# Allegro board parallella_layout.brd (continued)
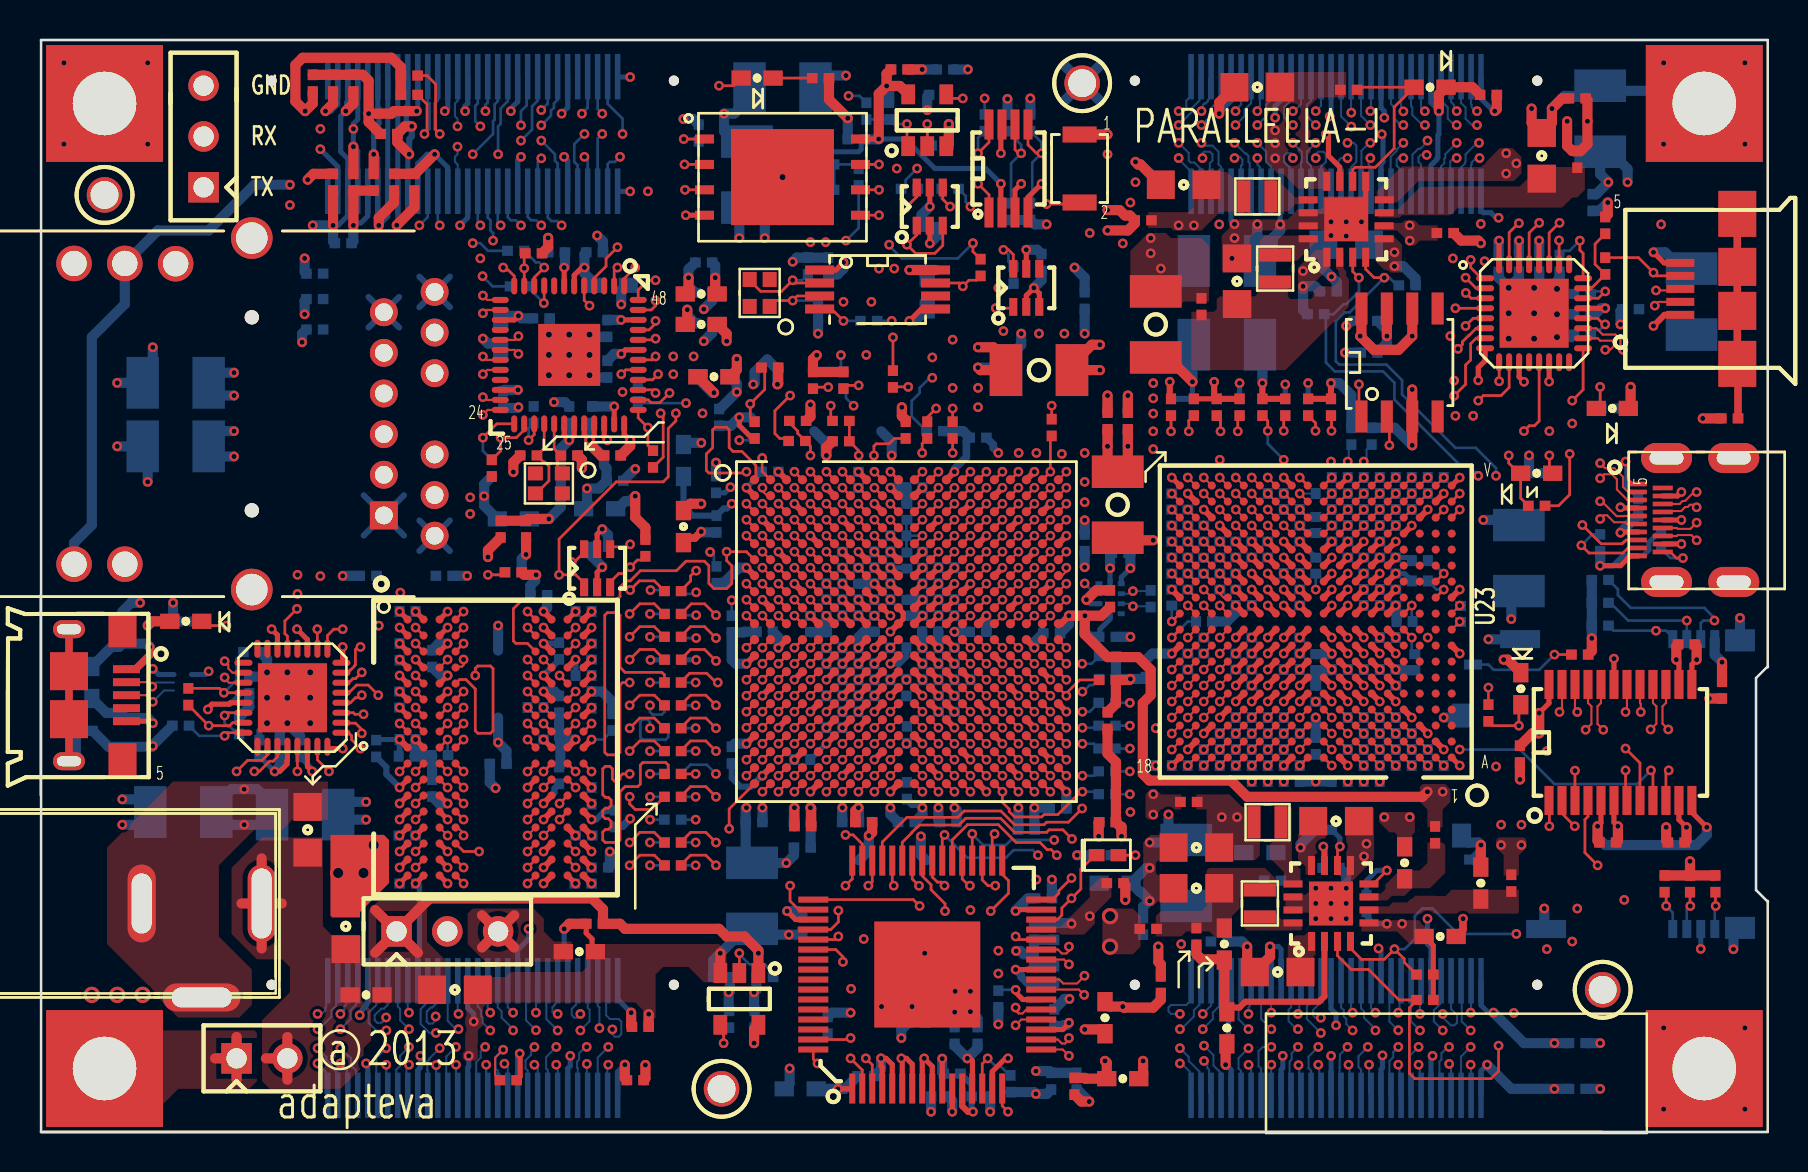
[diagram p0: board, top side]
## Routing (per net, layer and track width the routed paths; a pad name or vN(x,y) marks a point on that pad's centre or on a via; arc(x,y) is an arc through that point) (continued)
VCC_XADC: length 2.5
  TOP w0.254: U2.J9 v1(42.53,25.82)
  TOP w0.381: v1(33.07,30.02) 32.76,29.71 32.41,29.71 FB1.2
  BOTTOM w0.508: C16.2 33.11,29.98 v1(33.07,30.02)
VDD_ADJ: length 9.7
  TOP w0.508: R332.2 71.08,44.58 71.94,44.58 v1(72.06,44.45) ; C292.1 v1(15.67,49.28)
  L5_SIG w0.508: v1(15.67,49.28) v1(15.67,50.16)
  BOTTOM w0.254: J13.54 15.89,50.64 15.67,50.42 v1(15.67,50.16) v1(15.67,49.28) 15.89,49.06 J13.53
  vias: v1(72.06,45.42)
VDD_DSP: length 23.1
  TOP w0.305: U23.L9 v1(64.61,27.13) ; U23.M6 v1(67.01,27.93) ; U23.H6 v1(67.01,23.93) ; U23.J9 v1(64.61,24.73) ; U23.N9 v1(64.61,28.73) ; U23.N11 v1(62.21,28.73) ; U23.N13 v1(60.61,28.73) ; U23.M10 v1(63.01,27.93) ; U23.K6 v1(67.01,26.33) ; U23.J11 v1(62.21,24.73) ; U23.J13 v1(60.61,24.73) ; U23.M12 v1(61.41,27.93) ; U23.K10 v1(63.01,26.33) ; U23.H12 v1(61.41,23.93) ; U23.N7 v1(66.21,28.73) ; U23.J7 v1(66.21,24.73) ; U23.L11 v1(62.21,27.13) ; U23.M8 v1(65.41,27.93) ; U23.L7 v1(66.21,27.13) ; U23.L13 v1(60.61,27.13) ; U23.K8 v1(65.41,26.33) ; U23.H8 v1(65.41,23.93) ; U23.K12 v1(61.41,26.33) ; U23.H10 v1(63.01,23.93)
  TOP w0.508: v1(17.84,45.35) 18.72,46.23 C277.1
  BOTTOM w0.254: J13.46 J13.45 17.89,45.4 v1(17.84,45.35)
  vias: v1(55.55,44.7) v1(55.55,43.94) v1(56.06,43.18)
VDD_GPIO: length 61.4
  TOP w0.254: U37.24 75.47,21.44 v1(74.98,20.95) ; v1(83.37,15.24) 82.62,15.98 U37.12 ; v1(77.9,15.29) 78.07,15.46 U37.5
  TOP w0.305: U2.W17 v1(48.94,17.82) ; U2.Y10 v1(42.53,17.02) ; U2.T18 v1(49.74,20.22) ; U2.V14 v1(46.54,18.62) ; U2.N19 v1(50.54,22.62) ; U2.W7 v1(40.13,17.82) ; U2.T8 v1(40.93,20.22) ; U2.Y20 v1(51.34,17.02) ; U2.U11 v1(44.14,19.42) ; U2.R15 v1(47.34,21.02)
  TOP w0.508: v1(41.46,14.82) 41.62,14.99 C190.1 ; C126.1 v1(14.66,45.34) ; C127.1 56.06,8.38 55.93,8.51 v1(55.93,9.27) ; C188.1 77.4,51.6 v1(77.4,50.55) 77.4,49.4 77.05,49.06 R333.2 76.63,49.06 76.38,49.31 v1(76.38,50.55) ; C189.1 74.64,19.94 v1(74.98,19.94) v1(74.98,20.95) ; C269.1 29.25,2.69 v1(29.25,3.37) ; v1(29.57,5.97) 29.57,5.3 C268.1 ; v1(77.9,15.29) 77.9,14.57 C239.1 ; v1(52.95,14.78) 52.95,15.47 C129.1 ; v1(54.54,22.66) 54.49,22.61 R22.2 53.81,21.41 C132.1 ; C293.1 15.67,51.44 v1(15.29,51.05)
  BOTTOM w0.254: J13.56 15.39,51.54 15.35,51.49 15.34,51.49 15.34,51.1 v1(15.29,51.05) 15.04,50.8 15.04,49.02 15.39,48.67 J13.55 15.39,45.82 14.91,45.34 v1(14.66,45.34) ; v1(29.25,3.37) 28.89,3.01 J11.1 ; v1(29.57,5.97) 28.89,6.64 J11.2 ; v1(42.53,17.02) 43,17.49 C130.1
  BOTTOM w0.508: v1(48.94,16.22) 48.94,15.14 C128.1 ; v1(9.71,35.05) 8.94,35.05 8.44,34.54 C194.1 8.94,33.78 v1(9.71,33.78) ; C193.1 34.51,7.05 v1(34.44,6.99) 34.44,6.08 R328.1 ; v1(77.9,15.29) 77.9,14.73 78.29,14.35 82.86,14.35 83.37,14.86 v1(83.37,15.24) ; v1(51.34,17.02) C133.1 ; C131.1 55.21,22.66 v1(54.54,22.66) R20.1 R18.1 ; C129.1 52.95,15.47 v1(52.95,14.78) ; 40.96,13.59 41.46,14.08 v1(41.46,14.82) ; v1(13.64,45.34) v1(14.66,45.34) 14.66,44.54 C191.1
  vias: v1(57.08,9.4)
1P0V: length 83
  TOP w0.254: U2.K12 v1(44.94,25.82) ; U2.J13 v1(45.74,26.62)
  TOP w0.305: U2.P12 v1(44.94,21.82) ; U2.G11 v1(44.14,28.22) ; U2.N7 v1(40.13,22.62) ; U2.J7 v1(40.13,26.62) ; U2.R7 v1(40.13,21.02) ; U2.G7 v1(40.13,28.22) ; U2.H10 v1(42.53,27.42) ; U2.N13 v1(45.74,22.62) ; U2.M12 v1(44.94,23.42) ; U2.G13 v1(45.74,28.22) ; U2.L13 v1(45.74,24.22) ; U2.L7 v1(40.13,24.22) ; U2.H12 v1(44.94,27.42) ; U2.R13 v1(45.74,21.02) ; U2.P8 v1(40.93,21.82)
  TOP w0.508: v1(18.47,48.9) 17.87,49.49 C275.1 18.25,50.29 v1(18.6,50.29) ; C195.1 54.03,29.59 v1(55.68,29.59) ; C150.1 v1(37.73,16.22) ; v1(53.01,38.1) C214.1 51.62,38.38 52.61,39.37 v1(53.01,39.37)
  L3_SIG w0.508: 51.33,51.66 TP13.1 ; TP13.1 52.91,51.66 ; TP13.1 51.33,53.24 ; TP13.1 52.91,53.24
  L5_SIG w0.508: v1(51.74,43.23) 47.98,43.23 47.11,42.35 47.11,41.59 46.79,41.27 42.34,41.27 41.04,39.97 39.84,39.97 39.04,40.77 33.58,40.77 v1(33.2,41.15)
  L8_SIG w0.508: v1(48.39,51.66) 49.35,52.63 51.95,52.63 TP13.1 52.12,49.28 51.74,48.9 v1(51.74,43.23)
  BOTTOM w0.254: v1(18.47,48.9) 18.39,48.82 J13.43 ; v1(18.6,50.29) 18.32,50.57 18.32,51.27 18.39,51.34 J13.44
  BOTTOM w0.305: v1(18.6,50.29) 18.6,49.78 18.47,49.66 v1(18.47,48.9)
  BOTTOM w0.508: FB4.1 33.62,41.57 v1(33.2,41.15) ; C182.1 37.71,13.83 v1(37.33,13.45) 35.63,13.45 C216.1 35.3,13.78 C155.1 35.3,16.18 v1(35.33,16.22) ; 51.23,51.55 TP13.1 ; TP13.1 53.02,51.55 ; TP13.1 51.23,53.35 ; TP13.1 53.02,53.35 ; C179.1 39.42,52.83 v1(40.31,52.83) ; v1(42.6,33.83) 42.6,34.52 42.08,35.04 ; v1(40.13,16.22) 40.12,16.21 C154.1 ; v1(51.74,43.23) 52.25,42.72 C151.1 ; v1(37.73,16.22) 37.71,16.19 C156.1 ; C152.1 42.53,15.88 v1(42.53,16.22) ; R300.2 v1(48.39,51.66) ; v1(44.94,16.22) 44.94,15.57 C153.1
  vias: v2(53.52,10.79) v2(53.52,9.27)
1P0V_FLTR_PHY: length 6.7
  TOP w0.254: U9.6 26.72,42.85 27.1,43.23 v1(27.23,43.23) ; v1(28.37,34.59) 28.22,34.75 U9.34
  TOP w0.508: v1(32.44,42.72) 32.44,42.08 C34.1
  BOTTOM w0.508: FB4.2 32.44,42.3 v1(32.44,42.72) 32.44,43.14 C35.1 ; C33.1 27.23,42.94 v1(27.23,43.23) 27.23,43.9 C32.1
1P8V: length 210.4
  TOP w0.254: v1(11.74,18.03) 11.99,18.03 12.36,18.4 12.36,18.57 12.38,18.59 U17.28 ; U17.14 11.88,24.85 v1(11.58,25.15) ; v1(49.08,47.42) 48.77,47.11 U34.3 ; R162.2 R161.2 ; U12.32 v1(72.98,44.58) ; U2.H8 v1(41.73,26.62) ; U12.30 v1(73.98,44.58) ; U17.11 13.38,24.62 v1(12.85,25.15) ; U12.14 v1(75.48,37.53) ; v1(15.14,19.18) 14.47,19.18 U17.32 ; U12.8 72.28,38.57 71.94,38.23 v1(71.94,37.59) ; v1(15.14,24.26) 15.14,23.53 U17.8 ; U12.28 v1(74.98,44.58) ; U12.11 73.98,37.76 v1(74.22,37.52) ; U11.5 v1(44.5,46.28) ; U17.30 13.38,18.27 v1(13.62,18.03) ; U14.5 v1(49.33,44.12)
  TOP w0.305: U2.G9 v1(41.73,28.22) ; U23.N5 v1(67.81,28.73) ; U2.A13 v1(45.74,33.02) ; v1(61.14,37.45) R163.2 R164.2 ; U2.N11 v1(44.14,22.62) ; U23.M14 v1(59.81,27.93) ; U23.G7 v1(66.21,23.13) ; U23.G11 v1(62.21,23.13) ; v1(56.5,37.52) 56.5,36.73 R156.2 ; U23.L5 v1(67.81,27.13) ; U2.R9 v1(41.73,21.02) ; U23.P6 v1(67.01,29.53) ; U2.B16 v1(48.14,32.22) ; U23.P10 v1(63.01,29.53) ; U23.G9 v1(64.61,23.13) ; U2.E15 v1(47.34,29.82) ; v1(64.57,37.45) R159.2 R157.2 ; U2.B10 v1(42.53,32.22) ; U23.J5 v1(67.81,24.73) ; U2.N9 v1(41.73,22.62) ; U23.P12 v1(61.41,29.53) ; U2.F8 v1(40.93,29.02) ; U2.K8 v1(40.93,25.82) ; U2.P10 v1(42.53,21.82) ; R158.2 R161.2 58.73,36.79 v1(58.73,37.52) ; U23.K14 v1(59.81,26.33) ; U23.P14 v1(59.81,29.53) ; U2.L11 v1(44.14,24.22) ; U23.H14 v1(59.81,23.93) ; U2.M8 v1(40.93,23.42) ; U2.J11 v1(44.14,26.62) ; U23.G5 v1(67.81,23.13) ; U2.D12 v1(44.94,30.62) ; U23.P8 v1(65.41,29.53) ; U23.G13 v1(60.61,23.13)
  TOP w0.508: C272.1 72.86,51.16 v1(72.76,51.05) ; v1(33.07,31.42) 32.53,31.42 FB1.1 ; FB5.2 22.41,29.1 v1(22.41,28.75) ; v1(52.48,1.52) 52.08,1.52 FB18.1 ; v1(73.21,23.62) 73.41,23.62 CR1.2 ; C278.1 v1(16.69,48.9)
  L3_SIG w0.508: v1(16.69,48.9) 14.28,46.48 13.77,46.48 12.88,45.59 12.88,44.7 13.24,44.35 v1(13.24,43.69) ; v1(74.98,44.58) v1(73.98,44.58) v1(72.98,44.58) ; v1(52.48,1.52) 52.86,1.14 74.73,1.14 v1(75.75,2.16) v1(75.75,4.45) 76.57,3.62 78.29,3.62 79.17,4.51 79.17,5.77 81.71,8.31 81.71,9.14 82.73,10.16 84,10.16 84.89,11.05 84.89,24.13 84.25,24.77 82.22,24.77 81.08,25.91 80.47,25.91 79.58,26.8 79.58,27.96 79.94,28.32 79.94,31.88 78.7,33.11 78.7,34.25 77.52,35.43 v1(76.63,35.43) 76.25,35.05 v1(75.49,35.05)
  L10_SIG w0.508: v1(40.54,5.97) 41.25,5.26 42.52,5.26 v1(43.08,4.7) 43.28,4.5 49.51,4.5 v1(52.48,1.52)
  BOTTOM w0.254: v1(67.81,28.73) 68.46,28.73 R220.1 ; v1(72.76,51.05) 72.7,51.05 72.07,51.68 J9.2 ; v1(72.38,3.37) 72.07,3.06 J8.1 ; R292.1 63.81,28.73 v1(63.01,29.53) ; J9.1 72.06,47.04 72.06,46.1 72.19,45.97 72.57,45.97 72.82,45.72 v1(72.95,45.72) ; v1(13.62,18.03) 13.62,18.15 C69.1 ; C64.1 11.01,18.76 v1(11.74,18.03) ; J13.50 16.89,51.24 16.96,51.18 16.96,50.43 16.69,50.16 v1(16.69,48.9) 16.89,48.69 J13.49 ; J8.2 72.07,6.34 72.44,5.97 v1(72.7,5.97)
  BOTTOM w0.381: C21.1 46.33,34.56 46.33,33.76 45.77,33.2 45.77,33.06 v1(45.74,33.02)
  BOTTOM w0.508: R179.2 C197.1 64.58,23.09 v1(64.61,23.13) ; v1(33.2,39.55) 33.62,39.97 FB6.1 ; v1(42.53,32.22) C19.1 43.33,31.44 R62.1 ; C31.2 49.88,44.12 v1(49.33,44.12) ; C174.1 34,36.16 v1(34.85,37.01) 34.85,37.43 FB12.1 ; C270.1 v1(75.75,2.16) 73.59,2.16 v1(72.38,3.37) ; C175.1 44.12,24.23 v1(44.14,24.22) ; v1(73.98,44.58) 73.97,44.57 C55.1 ; v1(67.81,23.13) 68.24,23.13 68.27,23.09 R238.2 ; v1(74.98,44.58) 74.98,44.57 C56.1 ; FB7.2 v1(29.77,33.16) ; R61.2 46.17,35.05 C21.1 ; v1(9.71,37.97) 8.94,37.97 C17.1 9.07,36.83 v1(9.71,36.83) ; v1(64.57,37.45) 64.99,37.45 65.59,36.85 R247.1 ; C271.1 v1(75.75,4.45) 74.22,4.45 v1(72.7,5.97) ; v1(79.4,47.5) 79.4,48.16 78.54,49.02 C281.1 78.03,47.9 v1(78.44,47.5) 77.84,46.9 C273.1 ; v1(59.81,26.33) 59.81,25.97 59.36,25.53 R222.1 ; v1(44.5,46.28) 44.08,45.86 C9.2 ; v1(11.74,18.03) 11.99,18.29 C65.1 ; v1(44.14,26.62) 43.37,26.62 C162.1 ; C290.1 v1(46.41,53.14) ; FB17.1 43.08,5.12 v1(43.08,4.7) ; FB3.2 13.24,43.01 v1(13.24,43.69) ; C60.1 72.95,44.55 v1(72.98,44.58) ; FB15.1 51.88,2.12 v1(52.48,1.52) ; FB14.1 39.61,5.97 v1(40.54,5.97) ; R290.1 v1(63.81,20.73) ; R295.1 44.38,51.78 v1(44.38,51.1) ; C173.1 61.14,39.24 v1(61.14,37.45)
  vias: v1(48.95,33.96) v1(49.84,33.96) v1(51.11,33.91) v1(52.25,33.96) v1(55.68,16.89) v1(55.68,15.88) v1(60.61,17.53) v1(67.01,17.53)
1P8V_FLTR_PHY: length 6.6
  TOP w0.254: U9.7 v1(26.22,43.23) ; U9.43 29.27,39.11 v1(29.07,38.91) ; U9.46 v1(29.06,40.61)
  TOP w0.508: C40.1 32.37,40.49 v1(32.37,41.12)
  BOTTOM w0.508: C41.1 26.25,43.26 v1(26.22,43.23) ; C42.1 28.38,40.61 v1(29.06,40.61) ; v1(29.07,38.91) 28.72,38.91 C43.1 ; v1(32.37,41.12) 32.37,40.84 FB6.2
1P35V: length 88.8
  TOP w0.254: U20.A1 v1(17.99,26.03) ; U20.N3 v1(20.39,15.63) ; U20.U1 v1(17.99,12.43) ; U20.F3 v1(20.39,22.03) ; U20.D2 v1(18.79,23.63) ; U20.E3 v1(20.39,22.83) ; U20.T1 v1(17.99,13.23) ; U20.C1 v1(17.99,24.43) ; U20.M3 v1(20.39,16.43) ; U20.P2 v1(18.79,14.83) ; U20.G1 v1(17.99,21.23) ; U20.B1 v1(17.99,25.23) ; U20.R1 v1(17.99,14.03) ; U20.L1 v1(17.99,17.23)
  TOP w0.305: U20.M10 25.59,16.83 v1(25.19,16.43) ; U20.E10 v1(25.19,22.83) ; U2.P2 v1(36.13,21.82) ; U20.U12 27.19,12.83 v1(27.59,12.43) ; U2.A3 v1(36.93,33.02) ; v1(25.19,22.03) 25.59,21.63 U20.F10 ; U2.R5 v1(38.53,21.02) ; v1(26.79,14.83) U20.P11 ; U20.G12 v1(27.59,21.23) ; U20.C12 v1(27.59,24.43) ; U2.H4 v1(37.73,27.42) ; U20.N10 v1(25.19,15.63) ; U20.T12 27.19,13.63 v1(27.59,13.23) ; U2.E5 v1(38.53,29.82) ; U20.A12 v1(27.59,26.03) ; U20.L12 v1(27.59,17.23) ; U2.U1 v1(35.33,19.42) ; U2.V4 v1(37.73,18.62) ; U20.B12 v1(27.59,25.23) ; U2.L3 v1(36.93,24.22) ; U20.D11 v1(26.79,23.63) ; U2.G1 v1(35.33,28.22) ; U20.R12 v1(27.59,14.03) ; U2.D2 v1(36.13,30.62)
  TOP w0.508: C276.1 17.71,46.48 16.94,45.72 v1(16.94,45.34) ; v1(53.39,45.09) 54.41,45.09 54.75,45.43 R331.2 54.51,45.83 54.27,45.83 54,46.1 v1(53.39,46.1) ; v1(24.82,27.86) 24.22,27.86 R66.1
  L8_SIG w0.254: v1(36.93,33.02) 37.61,33.69 37.61,34.58 37.11,35.08
  L8_SIG w0.508: v1(49.53,51.69) 48.69,50.85 47.3,50.85 45.46,49.01 41.46,49.01 40.88,48.44 39.99,48.44 37.14,45.58 37.14,44.45 36.27,43.59 36.27,35.92 37.11,35.08
  BOTTOM w0.254: v1(16.94,45.34) 17.39,45.79 J13.47 J13.48 ; C80.1 v1(32.82,23.61)
  BOTTOM w0.305: v1(25.19,16.43) 25.19,16.43 25.73,16.97 25.73,17.18 C110.1 ; C100.1 v1(26.79,23.63) ; R69.1 17.33,18.25 17.33,17.89 v1(17.99,17.23) ; v1(25.19,22.83) 25.96,23.6 C73.1
  BOTTOM w0.381: C77.1 28.79,15.29 29.14,15.29 v1(29.52,15.67)
  BOTTOM w0.508: v1(20.39,22.83) 20.04,22.83 C81.1 ; C107.1 25.74,22.03 v1(25.19,22.03) ; v1(4.12,15.37) 4.88,15.37 C70.1 4.88,16.64 v1(4.12,16.64) ; C74.1 36.93,24.73 v1(36.93,24.22) ; v1(16.31,16.51) 15.55,16.51 C71.1 15.17,15.62 v1(16.31,15.62) ; v1(22.79,17.2) 22.49,17.49 C108.1 ; v1(24.82,27.86) 24.77,27.81 24.77,27.57 24.53,27.33 C99.1 ; C72.1 34.75,19.42 v1(35.33,19.42) ; 22.91,24.08 v1(22.91,25.32) ; C78.1 v1(33.81,33.48) ; R112.2 34.18,27.44 34.95,28.22 v1(35.33,28.22) ; R298.1 v1(49.53,51.69) ; C79.1 19.96,16.43 v1(20.39,16.43)
2P5V: length 49.6
  TOP w0.305: U2.H14 v1(46.54,27.42) ; U2.J17 v1(48.94,26.62) ; U2.F18 v1(49.74,29.02) ; U2.C19 v1(50.54,31.42) ; U2.M16 v1(48.14,23.42)
  TOP w0.33: U2.K20 51.06,25.42 v1(51.46,25.82)
  TOP w0.508: C297.2 53.09,25.82 v1(52.26,25.82) ; v1(52.26,25.82) v1(51.46,25.82) ; v1(52.26,25.82) 52.25,25.81 52.25,24.89 53.39,23.75 54.92,23.75 55.55,23.11 55.55,21.84 55.16,21.45 55.16,17.91 55.49,17.58 59.57,17.58 60.38,16.76 69.14,16.76 v1(69.4,17.02) ; v1(14.28,51.05) 14.66,51.44 C294.1 ; C136.1 v1(53.39,36.83) ; C138.1 v1(54.41,36.83)
  L10_SIG w0.508: v1(70.16,17.02) v1(69.4,17.02) ; v1(54.41,36.83) v1(53.39,36.83)
  BOTTOM w0.254: J13.58 14.89,51.39 14.56,51.05 v1(14.28,51.05) ; C142.1 53.01,24.8 53.01,25.15 53.52,25.65 U38.5 ; U38.10 v1(53.52,28.19) ; v1(14.02,49.15) 14.89,48.28 J13.57
  BOTTOM w0.508: C141.1 v1(52.25,30.59) ; C142.1 52.5,24.77 52.25,25.02 52.25,25.81 v1(52.26,25.82) v1(51.46,25.82) 51.46,25.39 C137.1 ; C136.1 v1(53.39,36.83) ; C140.1 46.49,25.02 v1(45.74,25.02) ; v1(53.52,28.19) 53.52,28.87 C298.1 ; C138.1 v1(54.41,36.83)
  vias: v1(14.02,50.16)
3P3V: length 105.2
  TOP w0.254: U5.5 27.87,29.9 v1(28.12,30.15) ; U7.8 v1(41.95,49.66) ; v1(40.19,43.48) 39.81,43.11 U35.1 ; U2.R6 v1(39.33,21.02) ; v1(48.06,47.42) 48.06,46.04 U34.2
  TOP w0.305: U2.M6 v1(39.33,23.42) ; U2.B6 v1(39.33,32.22) ; U2.T6 v1(39.33,20.22) ; U2.K6 v1(39.33,25.82) ; U2.N6 v1(39.33,22.62) ; U2.D7 v1(40.13,30.62)
  TOP w0.508: v1(43.11,36.25) 43.11,35.8 43.3,35.61 R48.2 ; v1(41.95,49.66) 41.95,51.92 v1(42.34,52.31) ; C259.2 42.34,52.92 v1(42.34,52.31) ; R37.2 v1(82.53,13.54) ; R37.2 R36.2 ; R37.2 R33.2 ; v1(42.34,52.31) 43,52.31 U33.5 ; v1(77.61,24.69) 77.61,24.05 R38.2 ; v1(84.13,23.5) C11.2 ; v1(36.88,37.39) 36.92,37.43 R46.2 ; C295.1 13.64,51.44 v1(13.26,51.05) 12.77,51.54 12.77,53.36 13.13,53.72 17.58,53.72 18.05,53.25 R9.2 R10.2 ; v1(43.49,43.11) U35.8 ; U36.5 35.71,5.14 v1(35.71,4.45) ; R43.1 38.53,35.78 v1(38.53,36.37) ; v1(54.28,11.61) 54.28,12.36 FB16.2
  L3_SIG w0.508: v1(41.95,49.66) 35.23,49.66 34.51,50.38 34.46,50.33 33.97,50.33 33.64,50.66 v1(32.18,50.66)
  BOTTOM w0.254: v1(48.06,47.42) 47.3,48.18 44.76,48.18 43.28,49.66 v1(41.95,49.66) ; C10.2 41.2,49.64 41.07,49.52 41.07,49.15 40.95,49.02 39.04,49.02 38.92,48.9 38.92,48.43 R52.1
  BOTTOM w0.508: C288.2 35.71,5.19 v1(35.71,4.45) ; R28.1 32.67,50.66 v1(32.18,50.66) ; J3.4 83.76,23.86 v1(84.13,23.5) ; R225.1 v1(51.87,13.84) ; C259.2 42.34,52.92 v1(42.34,52.31) 42.47,52.18 R326.2 ; v1(34.98,44.7) 34.98,45.85 C286.1 35.74,46.23 36.25,45.72 v1(36.25,44.7) ; v1(73.59,25.65) 73.59,26.67 C12.1 ; R39.2 R34.2 R35.2 v1(77.61,24.69) ; v1(43.49,43.11) 44.03,43.11 C53.1 ; v1(28.12,30.15) 28.41,29.86 C7.2 ; C10.2 41.94,49.64 v1(41.95,49.66) ; R12.2 39.34,25.78 R8.2 38.55,24.99 C13.1 ; v1(74.48,33.83) 74.48,32.98 R89.1 ; v1(12.5,47.37) 10.72,47.37 8.44,45.09 5.9,45.09 4.24,43.43 4.24,41.4 2.59,39.75 2.59,30.35 1.7,29.46 1.7,28.4 ; v1(36.88,37.39) 36.88,38.13 36.38,38.63 35.74,38 35.74,37.45 v1(35.68,37.39) ; v1(40.19,43.48) 40.19,43.18 39.89,42.89 C24.1
  vias: v1(12.5,46.35) v1(41.2,9.65) v1(43.33,22.62) v1(43.33,19.42) v1(73.08,14.35) v1(74.09,14.35)
5P0V: length 25.9
  TOP w0.508: J14.1 18.9,8.96 ; J14.1 18.9,11.1 ; J14.1 16.76,8.96 ; J14.1 16.76,11.1 ; 18.91,11.11 19.48,11.68 27.61,11.68 28.16,11.14 R273.1 29.01,10.41 29.26,10.16 33.96,10.16 34.34,9.78 35.23,9.78 35.93,9.08 v1(35.93,8.94) U36.1
5P0V_IN: length 9.7
  TOP w0.508: 11.09,9.18 J12.1 ; J12.1 12.09,11.43 ; J12.1 10.08,11.43 ; J12.1 11.09,13.68 ; 12.37,3.68 12.37,4.75 ; 12.37,3.68 11.3,3.68 ; 12.37,3.68 12.37,2.61
BOARD_RESET_L: length 116.1
  TOP w0.133: v1(10.72,18.03) 10.98,18.03 11.48,18.54 11.66,18.54 11.88,18.76 U17.27 ; v1(46.15,51.69) 45.53,51.69 U33.4 ; v1(23.17,43.23) 23.29,43.1 23.42,43.1 23.72,42.81 U9.12 ; v1(76,45.47) 75.99,45.47 75.48,44.96 U12.27
  L3_SIG w0.108: v1(12.88,26.91) 12.89,26.91 13.39,26.42 13.39,24.26 13.01,23.88 13.01,19.94 12.12,19.05 11.74,19.05 v1(10.72,18.03) ; v1(45.65,39.62) 45.65,43.18 46.03,43.56 46.03,46.99 46.15,47.12 v1(46.15,51.69)
  L5_SIG w0.108: v1(76,45.47) 76,45.85 74.35,47.5 72.06,47.5 71.43,48.13 71.43,51.31 70.67,52.07 55.93,52.07 54.92,51.05 51.36,51.05 51.23,51.18 46.66,51.18 v1(46.15,51.69)
  L8_SIG w0.108: v1(23.17,43.23) 23.17,41.77 23.48,41.45 23.48,33.96 23.17,33.64 23.17,30.78 20.91,28.53 12.85,28.53 12.44,28.12 12.44,27.36 v1(12.88,26.91)
  L10_SIG w0.108: v1(23.17,43.23) 23.22,43.23 23.68,43.69 30.03,43.69 30.28,43.43 32.31,43.43 33.45,42.29 35.11,42.29 36.63,40.77 38.28,40.77 38.41,40.89 39.04,40.89 39.8,40.13 41.58,40.13 42.47,39.24 45.27,39.24 v1(45.65,39.62)
  BOTTOM w0.133: R295.2 45.48,51.69 v1(46.15,51.69)
DDC_SCL: length 67.3
  TOP w0.133: v1(47.55,11.05) 48.44,11.94 48.44,12.57 48.13,12.89 U26.33 ; J10.17 79.43,29.21 79.17,28.96 77.47,28.96 v1(77.09,29.34)
  L3_SIG w0.108: v1(47.55,11.05) 48.06,10.54 49.2,10.54 49.84,9.91 52,9.91 53.01,8.89 53.01,6.6 56.95,2.67 72.44,2.67 73.46,3.68 73.46,3.94 76,6.48 76,8.38 76.13,8.51 76.13,10.41 v1(76.89,11.18)
  L5_SIG w0.108: v1(76.89,11.18) 78.41,12.7 78.41,19.3 78.79,19.68 78.79,20.7 76.76,22.73 76.76,29.01 v1(77.09,29.34)
  BOTTOM w0.133: v1(77.09,29.34) 77.64,29.88 R19.1
DDC_SDA: length 78.2
  TOP w0.133: v1(82.17,28.7) 81.84,28.7 81.54,29.01 J10.18 ; v1(47.74,14.91) 47.74,14.82 47.63,14.71 U26.34
  L5_SIG w0.108: v1(82.17,28.7) 82.17,28.75 82.98,27.94 82.98,24.64 83.49,24.13 83.49,22.86 82.98,22.35 82.98,17.78 80.32,15.11 80.32,6.55 79.81,6.05 79.81,2.54 78.06,0.79 50.12,0.79 47.87,3.04 47.87,4.05 47.04,4.88 47.04,12.7 47.74,13.4 v1(47.74,14.91)
  BOTTOM w0.133: R21.1 81.55,28.7 v1(82.17,28.7)
DDR3_A0: length 20.3
  TOP w0.133: U2.N2 v1(36.13,22.62)
  L5_SIG w0.108: v1(32.79,19.05) 31.68,19.05 31.55,18.92 31.55,16.18 31.42,16.05 31.17,16.05 31.04,16.18 31.04,21.26 31.17,21.39 31.68,21.39 31.8,21.26 31.8,19.61 31.93,19.48 34.22,19.48 34.6,19.86 34.6,21.64 34.94,21.98 34.94,21.98 35.17,22.22 35.67,22.22 35.94,22.49 36,22.49 v1(36.13,22.62)
  BOTTOM w0.133: R316.1 v1(32.79,19.05)
DDR3_A1: length 8.1
  TOP w0.133: U2.K2 v1(36.13,25.82) ; v1(33.9,22.48) 33.81,22.48 33.35,22.94 32.49,22.94 32.07,22.52 R315.1
  L5_SIG w0.108: v1(33.9,22.48) 33.81,22.48 33.41,22.88 33.41,23.79 33.65,24.02 34.23,24.02 34.52,24.3 34.52,24.61 35.23,25.32 35.64,25.32 v1(36.13,25.82)
DDR3_A2: length 22
  TOP w0.133: R314.1 32.07,19.09 32.54,19.56 33.3,19.56 v1(33.81,19.05) ; U2.M3 v1(36.93,23.42)
  L5_SIG w0.108: v1(33.81,19.05) 33.61,18.85 33.33,18.85 33.07,18.59 32.31,18.59 31.99,18.28 31.99,16.24 32.18,16.05 32.95,16.05 33.45,15.54 34.34,15.54 34.47,15.67 34.47,16.18 34.34,16.31 33.58,16.31 33.33,16.56 33.33,17.07 33.07,17.32 32.69,17.32 32.4,17.62 32.4,18.07 32.66,18.34 33.2,18.34 33.45,18.59 34.09,18.59 34.33,18.84 34.33,19.05 34.94,19.65 34.94,21.18 35.17,21.42 35.5,21.42 35.74,21.65 35.74,21.98 35.98,22.22 36.3,22.22 36.53,22.45 36.53,22.96 36.74,23.17 36.74,23.22 v1(36.93,23.42)
DDR3_A3: length 17.4
  TOP w0.133: v1(33.81,21.34) 33.3,21.84 32.54,21.84 32.07,21.37 R313.1 ; U2.K3 v1(36.93,25.82)
  L8_SIG w0.108: v1(33.81,21.34) 34.79,21.34 34.87,21.42 37.96,21.42 38.14,21.6 38.14,22.11 38.03,22.22 35.87,22.22 35.74,22.35 35.74,22.45 35.74,22.45 35.74,22.78 35.74,22.79 35.74,22.89 35.87,23.02 37.9,23.02 38.14,23.25 38.14,23.7 38.03,23.82 36.72,23.82 36.54,24 36.54,25.42 v1(36.93,25.82)
DDR3_A4: length 12.4
  TOP w0.133: U2.M4 v1(37.73,23.42)
  L5_SIG w0.108: v1(33.81,17.91) 33.81,17.58 33.97,17.42 36.3,17.42 36.54,17.66 36.54,21.18 36.77,21.42 37.09,21.42 37.33,21.65 37.33,22.45 37.34,22.45 37.34,23.02 v1(37.73,23.42)
  BOTTOM w0.133: R312.1 32.53,18.37 33.35,18.37 v1(33.81,17.91)
DDR3_A5: length 14.5
  TOP w0.133: R311.1 32.07,20.23 32.54,20.7 33.3,20.7 v1(33.81,20.19) ; U2.L1 v1(35.33,24.22)
  L5_SIG w0.108: v1(35.33,24.22) 35.73,23.82 36.3,23.82 36.53,24.05 36.53,24.34 36.54,24.34 36.54,24.38 36.86,24.71 37.98,24.71 38.13,24.56 38.13,24.05 37.89,23.82 36.77,23.82 36.53,23.58 36.53,23.25 36.3,23.02 35.05,23.02 34.94,22.91 34.94,22.75 34.51,22.32 34.51,22.23 34.05,21.77 33.58,21.77 33.33,21.51 33.33,20.68 v1(33.81,20.19)
DDR3_A6: length 17.4
  TOP w0.133: U2.L4 v1(37.73,24.22)
  L3_SIG w0.108: v1(37.73,24.22) 37.73,24.57 37.86,24.7 38.53,24.7 38.66,24.83 38.66,25.15 38.53,25.27 36.66,25.27 36.54,25.15 36.54,23.26 36.29,23.02 35.97,23.02 35.74,22.78 35.74,22.46 35.49,22.22 35.17,22.22 34.94,21.98 34.94,21.98 34.91,21.96 34.91,20.74 33.91,19.74 33.58,19.74 33.39,19.55 33.39,16.18 33.26,16.05 32.92,16.05 32.79,16.18 v1(32.79,16.76)
  BOTTOM w0.133: R310.1 v1(32.79,16.76)
DDR3_A7: length 8.9
  TOP w0.133: U2.K4 v1(37.73,25.82)
  L5_SIG w0.108: v1(32.79,21.34) 33.54,22.08 34.06,22.08 34.3,22.31 34.3,22.43 34.53,22.67 34.53,23.11 34.94,23.52 34.94,24.38 35.17,24.62 36.05,24.62 36.76,25.32 37.24,25.32 v1(37.73,25.82)
  BOTTOM w0.133: R309.1 v1(32.79,21.34)
DDR3_A8: length 8.3
  TOP w0.133: U2.K1 v1(35.33,25.82)
  L5_SIG w0.108: v1(32.79,22.48) 32.79,22.15 32.67,22.02 32.31,22.02 32.18,22.15 32.18,24.1 32.39,24.3 34.14,24.3 34.22,24.38 34.22,24.7 v1(35.33,25.82)
  BOTTOM w0.133: R308.1 v1(32.79,22.48)
DDR3_A9: length 8.5
  TOP w0.133: R307.1 32.07,23.66 32.54,24.13 33.24,24.13 v1(33.81,23.56) ; U2.J4 v1(37.73,26.62)
  L5_SIG w0.108: v1(37.73,26.62) 37.33,26.22 36.77,26.22 36.54,25.98 36.54,25.61 35.87,24.94 35.2,24.94 34.73,24.47 34.73,24.01 34.28,23.56 v1(33.81,23.56)
DDR3_A10: length 9.7
  TOP w0.133: R306.1 32.58,26.42 33.24,26.42 v1(33.81,25.84) ; U2.F5 v1(38.53,29.02)
  L5_SIG w0.108: v1(33.81,25.84) 33.81,27.33 35.1,28.62 38.13,28.62 v1(38.53,29.02)
DDR3_A11: length 8.7
  TOP w0.133: U2.G4 v1(37.73,28.22)
  L5_SIG w0.108: v1(32.82,24.7) 32.82,24.79 33.38,25.35 33.91,25.35 34.41,25.84 34.41,26.09 34.2,26.29 34.2,26.96 35.06,27.82 37.34,27.82 37.73,28.21 v1(37.73,28.22)
  BOTTOM w0.133: v1(32.82,24.7) 32.13,24.7 R305.1
DDR3_A12: length 8.2
  TOP w0.133: U2.E4 v1(37.73,29.82) ; R304.1 32.07,27.09 32.54,27.56 32.54,27.81 32.79,28.07 32.82,28.07 v1(32.82,28.07)
  L5_SIG w0.108: v1(37.73,29.82) 37.34,30.22 34.83,30.22 33.91,29.31 33.91,28.78 33.2,28.07 32.82,28.07 v1(32.82,28.07)
DDR3_A13: length 9.9
  TOP w0.133: U2.D4 v1(37.73,30.62)
  L5_SIG w0.108: v1(37.73,30.62) 37.54,30.81 37.48,30.81 37.28,31.02 34.64,31.02 32.31,28.69 32.31,27.53 32.82,27.03 v1(32.82,26.99)
  BOTTOM w0.133: R303.1 32.21,26.91 32.74,26.91 v1(32.82,26.99)
DDR3_A14: length 8.5
  TOP w0.133: U2.F4 v1(37.73,29.02)
  L5_SIG w0.108: v1(32.82,25.84) 33.33,26.35 33.33,27.42 34.34,28.44 34.41,28.44 35.39,29.42 37.34,29.42 v1(37.73,29.02)
  BOTTOM w0.133: R302.1 32.13,25.84 v1(32.82,25.84)
DDR3_BA0: length 15.1
  TOP w0.133: U2.L5 v1(38.53,24.22) ; v1(33.81,16.76) 33.3,17.27 32.54,17.27 32.07,16.8 R319.1
  L3_SIG w0.108: v1(38.53,24.22) 38.53,23.95 38.41,23.82 37.58,23.82 37.34,23.58 37.34,23.26 37.1,23.02 36.78,23.02 36.54,22.78 36.54,22.46 36.3,22.22 35.98,22.22 35.73,21.98 35.73,20.85 35.5,20.62 35.18,20.62 34.82,20.27 34.82,20.09 34.34,19.61 34.34,16.05 34.22,15.93 33.94,15.93 33.81,16.05 v1(33.81,16.76)
DDR3_BA1: length 18.3
  TOP w0.133: U2.R4 v1(37.73,21.02)
  L5_SIG w0.108: v1(37.73,21.02) 37.33,20.62 37.33,16.32 36.63,15.62 35.99,15.62 35.23,14.86 35.23,14.27 34.85,13.89 31.17,13.89 31.04,14.02 31.04,14.27 31.17,14.4 31.68,14.4 31.8,14.53 31.8,14.91 31.68,15.04 31.17,15.04 31.04,15.16 31.04,15.49 31.17,15.62 v1(32.79,15.62)